# Altium PCB ControlBoard.PcbDoc (part 1 of 3) (continued)
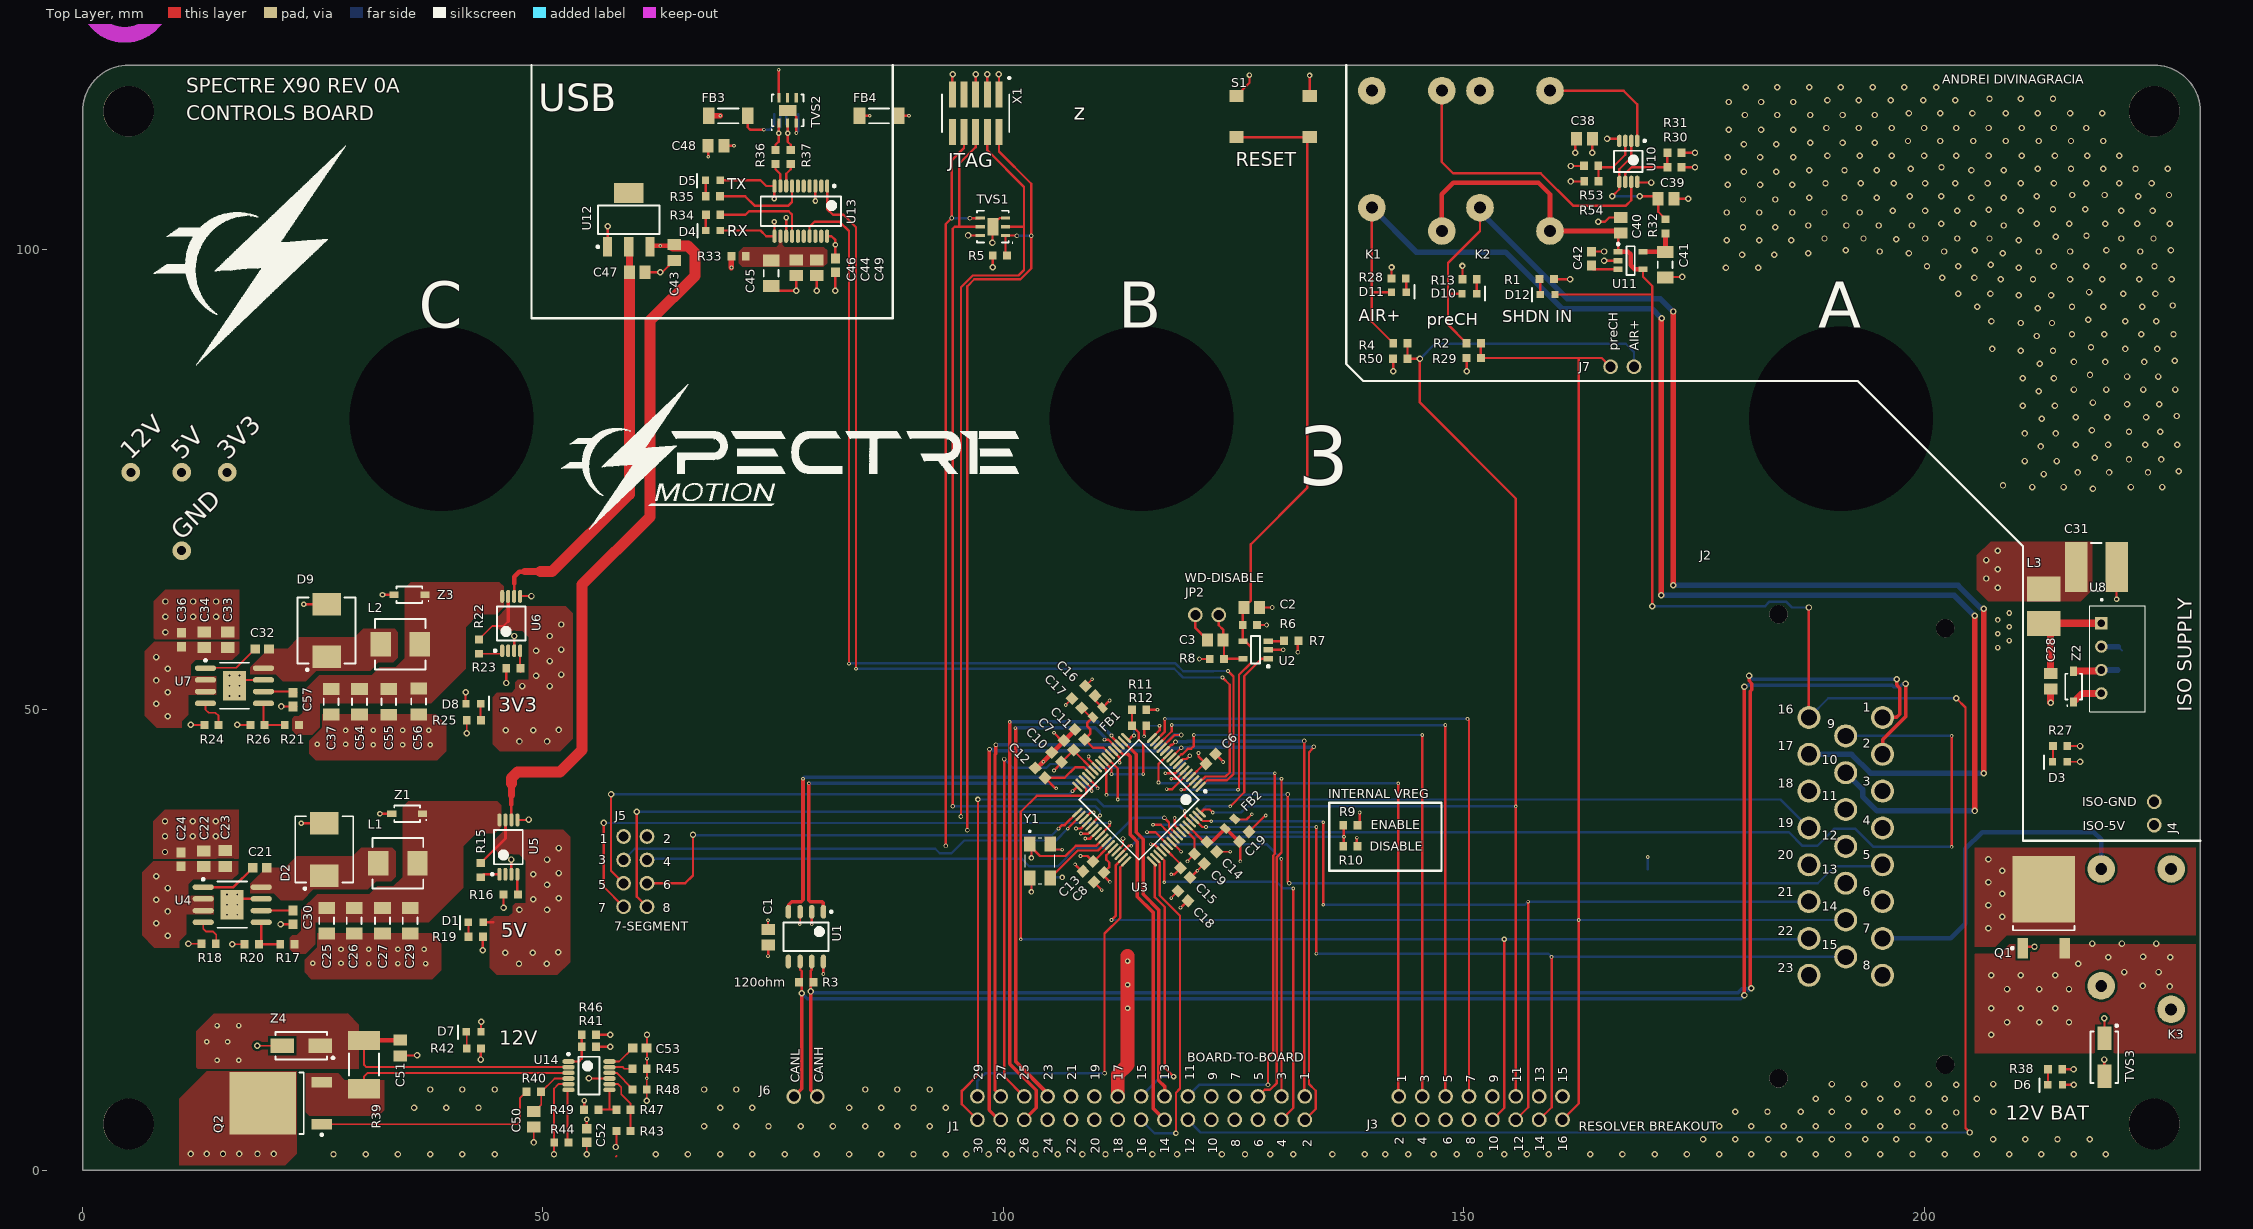
[diagram p0: Top Layer view]
## Part data (continued)
C31: library part 2220-10uF-100V, "CAP CER 10UF 100V X7S 2220", Case/Package=2220, Case Code (Metric)=5750, Dielectric=X7S, Manufacturer=TDK, Manufacturer Part Number=C5750X7S2A106K230KB, Max Operating Temperature=125°C, Min Operating Temperature=-55°C, Package Quantity=500, Supplier Part Number 1=445-13408-6-ND, Tolerance=10%, Voltage Rating=100V, Capacitance=10uF, Case Code (Imperial)=2220, ComponentLink1Description=https://4donline.ihs.com/images/VipMasterIC/IC/TDKC/TDKC-S-A0000596732/TDKC-S-A0000596732-1.pdf?hkey=52A5661711E402568146F3353EA87419&src-supplier=Farnell, ComponentLink1URL=https://4donline.ihs.com/images/VipMasterIC/IC/TDKC/TDKC-S-A0000596732/TDKC-S-A0000596732-1.pdf?hkey=52A5661711E402568146F3353EA87419&src-supplier=Farnell, ComponentLink2Description=http://www.farnell.com/datasheets/1913358.pdf?src-supplier=Element14, ComponentLink2URL=http://www.farnell.com/datasheets/1913358.pdf?src-supplier=Element14, ComponentLink3Description=https://product.tdk.com/info/en/documents/chara_sheet/C5750X7S2A106K230KB.pdf?src-supplier=Digi-Key, ComponentLink3URL=https://product.tdk.com/info/en/documents/chara_sheet/C5750X7S2A106K230KB.pdf?src-supplier=Digi-Key, ComponentLink4Description=http://www.mouser.com/ds/2/400/lcc_commercial_general_en-837201.pdf?src-supplier=Mouser, ComponentLink4URL=http://www.mouser.com/ds/2/400/lcc_commercial_general_en-837201.pdf?src-supplier=Mouser, ComponentLink5Description=https://4donline.ihs.com/images/VipMasterIC/IC/TDKC/TDKC-S-A0000596732/TDKC-S-A0000596732-1.pdf?hkey=52A5661711E402568146F3353EA87419&src-supplier=Newark, ComponentLink5URL=https://4donline.ihs.com/images/VipMasterIC/IC/TDKC/TDKC-S-A0000596732/TDKC-S-A0000596732-1.pdf?hkey=52A5661711E402568146F3353EA87419&src-supplier=Newark, ComponentLink6Description=http://product.tdk.com/en/catalog/datasheets/mlcc_commercial_midvoltage_en.pdf?src-supplier=Avnet, ComponentLink6URL=http://product.tdk.com/en/catalog/datasheets/mlcc_commercial_midvoltage_en.pdf?src-supplier=Avnet, Height=2.3mm, Lead Free="Lead Free", Length=0.224inch, Mount="Surface Mount", Packaging="Tape and Reel", Pricing 1="1=2.24, 10=1.815, 50=1.584, 100=1.386 (USD)", REACH SVHC="No SVHC", RoHS Compliant=Yes, Series=C, Stock 1=112223, Supplier 1=Digi-Key, Termination=SMD/SMT, Thickness=0.098inch, Voltage Rating (DC)=100V, Weight=0.016932oz, Width=0.197inch
C39 C40: library part 0805-1uF-50V, "CAP CER 1UF 50V X5R 0805", Case/Package=0805, Case Code (Metric)=2012, Dielectric=X5R, Dielectric Material=Ceramic, Manufacturer=KEMET, Manufacturer Part Number=C0805C105K5PACTU, Max Operating Temperature=85°C, Min Operating Temperature=-55°C, Package Quantity=2500, Supplier Part Number 1=399-15436-6-ND, Tolerance=10%, Voltage Rating=50V, Capacitance=1uF, Case Code (Imperial)=0805, ComponentLink1Description=https://api.kemet.com/component-edge/download/datasheet/C0805C105K5PAC7800.pdf?src-supplier=Digi-Key, ComponentLink1URL=https://api.kemet.com/component-edge/download/datasheet/C0805C105K5PAC7800.pdf?src-supplier=Digi-Key, ComponentLink2Description=http://www.farnell.com/datasheets/2746140.pdf?src-supplier=Farnell, ComponentLink2URL=http://www.farnell.com/datasheets/2746140.pdf?src-supplier=Farnell, ComponentLink3Description=http://www.mouser.com/ds/2/212/KEM_C1006_X5R_SMD-1103249.pdf?src-supplier=Mouser, ComponentLink3URL=http://www.mouser.com/ds/2/212/KEM_C1006_X5R_SMD-1103249.pdf?src-supplier=Mouser, ComponentLink4Description=http://www.farnell.com/datasheets/2746140.pdf?src-supplier=Newark, ComponentLink4URL=http://www.farnell.com/datasheets/2746140.pdf?src-supplier=Newark, ComponentLink5Description=http://www.farnell.com/datasheets/2032728.pdf?src-supplier=Element14, ComponentLink5URL=http://www.farnell.com/datasheets/2032728.pdf?src-supplier=Element14, Lead Free="Lead Free", Length=0.079inch, Mount="Surface Mount", Packaging="Tape and Reel", Pricing 1="1=0.33, 10=0.23, 100=0.1378, 500=0.10334, 1000=0.08726 (USD)", REACH SVHC="No SVHC", Stock 1=7193, Supplier 1=Digi-Key, Termination=SMD/SMT, Thickness=0.055inch, Voltage Rating (DC)=50V, Weight=0.000194oz, Width=0.049inch
C41: library part 1206-10uF-25V, "CAP CER 10UF 25V X7R 1206", Case/Package=1206, Case Code (Metric)=3216, Manufacturer=Samsung, Manufacturer Part Number=CL31B106KAHZW6E, Max Operating Temperature=125°C, Min Operating Temperature=-55°C, Supplier Part Number 1=1276-7031-1-ND, Tolerance=10%, Voltage Rating=25V, Capacitance=10uF, Case Code (Imperial)=1206, ComponentLink1Description=http://www.samsungsem.com/kr/support/product-search/mlcc/CL31B106KAHZW6E.jsp?src-supplier=Digi-Key, ComponentLink1URL=http://www.samsungsem.com/kr/support/product-search/mlcc/CL31B106KAHZW6E.jsp?src-supplier=Digi-Key, Features="Soft Termination", Mount="Surface Mount", Packaging="Cut Tape", Pricing 1="1=0.37, 10=0.255, 50=0.1786, 100=0.153, 500=0.11478, 1000=0.09693 (USD)", RoHS Compliant=Yes, Stock 1=9279, Supplier 1=Digi-Key
C42: library part 0603-10nF, "CAP CER 10000PF 50V X7R 0603", Capacitance=10nF, Case/Package=0603, Case Code (Metric)=1608, Dielectric=X7R, Insulation Resistance=100GR, Manufacturer="Kyocera AVX", Manufacturer Part Number=06035C103KAT4A, Max Operating Temperature=125°C, Min Operating Temperature=-55°C, Package Quantity=15000, Supplier Part Number 1=478-10055-1-ND, Tolerance=10%, Voltage=50V, Case Code (Imperial)=0603, ComponentLink1Description=http://www.avx.com/docs/catalogs/cx7r.pdf?src-supplier=Avnet, ComponentLink1URL=http://www.avx.com/docs/catalogs/cx7r.pdf?src-supplier=Avnet, ComponentLink2Description=http://datasheets.avx.com/X7RDielectric.pdf?src-supplier=Future+Electronics, ComponentLink2URL=http://datasheets.avx.com/X7RDielectric.pdf?src-supplier=Future+Electronics, ComponentLink3Description=http://www.farnell.com/datasheets/2237835.pdf?src-supplier=Element14, ComponentLink3URL=http://www.farnell.com/datasheets/2237835.pdf?src-supplier=Element14, Construction=Flat, Depth=0.81mm, Dissipation Factor=2.5%, Height=0.9mm, Lead Free="Lead Free", Length=1.6mm, Mount="Surface Mount", Number of Pins=2, Packaging="Tape and Reel", Pricing 1="1=0.1, 10=0.035, 50=0.019, 100=0.0155, 500=0.01106, 1000=0.0087, 2500=0.00791, 5000=0.00727 (USD)", Radiation Hardening=No, REACH SVHC="No SVHC", RoHS Compliant=Yes, Series=-, Stock 1=265526, Supplier 1=Digi-Key, Termination=SMD/SMT, Voltage Rating=50V, Voltage Rating (DC)=50V, Width=0.81mm
C43: library part 0805-10uF-16V, "CAP CER 10UF 16V X5R 0805", Case/Package=0805, Case Code (Metric)=2012, Dielectric=X7R, Manufacturer=Samsung, Manufacturer Part Number=CL21A106KOQNNNE, Max Operating Temperature=85°C, Min Operating Temperature=-55°C, Package Quantity=1, Supplier Part Number 1=1276-1096-1-ND, Tolerance=10%, Voltage=16V, Capacitance=10uF, Case Code (Imperial)=0805, ComponentLink1Description=http://www.samsungsem.com/kr/support/product-search/mlcc/CL21A106KOQNNNE.jsp?src-supplier=Digi-Key, ComponentLink1URL=http://www.samsungsem.com/kr/support/product-search/mlcc/CL21A106KOQNNNE.jsp?src-supplier=Digi-Key, ComponentLink2Description=http://www1.futureelectronics.com/doc/SAMSUNG%20PASSIVE/CL05B104KQ5NNNC.pdf?src-supplier=Future+Electronics, ComponentLink2URL=http://www1.futureelectronics.com/doc/SAMSUNG%20PASSIVE/CL05B104KQ5NNNC.pdf?src-supplier=Future+Electronics, ComponentLink3Description=https://www.verical.com/server-webapp/html/getDatasheet?partID=358435&src-supplier=Verical, ComponentLink3URL=https://www.verical.com/server-webapp/html/getDatasheet?partID=358435&src-supplier=Verical, Construction=Flat, Depth=1.25mm, Height=1.25mm, Lead Free="Lead Free", Length=2mm, Mount="Surface Mount", Packaging="Tape and Reel", Pricing 1="1=0.11, 10=0.084, 50=0.0458, 100=0.0375, 500=0.02676, 1000=0.02103 (USD)", Radiation Hardening=No, RoHS Compliant=Yes, Series=CL, Stock 1=258396, Supplier 1=Digi-Key, Thickness=0.055inch, Voltage Rating=16V, Voltage Rating (DC)=16V, Width=0.049inch
C45: library part 1206-4.7uF-50V, "CAP CER 4.7UF 50V X7R 1206", Case/Package=1206, Case Code (Metric)=3216, Dielectric=X7R, Dielectric Material=Ceramic, Manufacturer=TDK, Manufacturer Part Number=C3216X7R1H475K160AC, Max Operating Temperature=125°C, Min Operating Temperature=-55°C, Package Quantity=1, Supplier Part Number 1=445-8032-6-ND, Tolerance=10%, Voltage Rating=50V, Capacitance=4.7uF, Case Code (Imperial)=1206, ComponentLink1Description=https://product.tdk.com/info/en/catalog/datasheets/mlcc_commercial_general_en.pdf?src-supplier=Digi-Key, ComponentLink1URL=https://product.tdk.com/info/en/catalog/datasheets/mlcc_commercial_general_en.pdf?src-supplier=Digi-Key, ComponentLink2Description=http://www.mouser.com/ds/2/400/lcc_commercial_general_en-560200.pdf?src-supplier=Mouser, ComponentLink2URL=http://www.mouser.com/ds/2/400/lcc_commercial_general_en-560200.pdf?src-supplier=Mouser, ComponentLink3Description=http://product.tdk.com/capacitor/mlcc/en/documents/mlcc_commercial_general_en.pdf?src-supplier=Future+Electronics, ComponentLink3URL=http://product.tdk.com/capacitor/mlcc/en/documents/mlcc_commercial_general_en.pdf?src-supplier=Future+Electronics, Depth=1.6mm, Lead Free="Lead Free", Length=3.2mm, Mount="Surface Mount", Packaging="Tape and Reel", Pricing 1="1=0.76, 10=0.535, 50=0.4042, 100=0.3521, 500=0.26082, 1000=0.2217 (USD)", REACH SVHC="No SVHC", Resistor Type=Ceramic, RoHS Compliant=Yes, Series=C, Stock 1=117540, Supplier 1=Digi-Key, Termination=SMD/SMT, Thickness=1.6mm, Voltage Rating (DC)=50V, Weight=0.000571oz, Width=0.063inch
C47: library part 0805-22uF-16V, "CAP CER 22UF 16V X5R 0805", Case/Package=0805, Case Code (Metric)=2012, Manufacturer=Samsung, Manufacturer Part Number=CL21A226KOQNNNE, Max Operating Temperature=85°C, Min Operating Temperature=-55°C, Supplier Part Number 1=1276-6526-6-ND, Tolerance=10%, Voltage Rating=16V, Capacitance=22uF, Case Code (Imperial)=0805, ComponentLink1Description=http://www.samsungsem.com/kr/support/library/product-catalog/mlcc.jsp?src-supplier=Digi-Key, ComponentLink1URL=http://www.samsungsem.com/kr/support/library/product-catalog/mlcc.jsp?src-supplier=Digi-Key, Lead Free="Lead Free", Length=0.079inch, Mount="Surface Mount", Packaging="Tape and Reel", Pricing 1="1=0.37, 10=0.258, 50=0.1804, 100=0.1546, 500=0.11592, 1000=0.09789 (USD)", RoHS Compliant=Yes, Stock 1=761343, Supplier 1=Digi-Key, Thickness=0.055inch, Voltage Rating (DC)=16V, Width=0.049inch
C48: library part 0805-10nF-50V, "CAP CER SMD 0805 .01UF X7R 5% 50V", Case/Package=0805, Case Code (Metric)=2012, Dielectric=X7R, Dielectric Material=Ceramic, Manufacturer=KEMET, Manufacturer Part Number=C0805C103J5RAC7210, Max Operating Temperature=125°C, Min Operating Temperature=-55°C, Package Quantity=10000, Supplier Part Number 1=399-17616-6-ND, Tolerance=5%, Voltage Rating=50V, Capacitance=10nF, Case Code (Imperial)=0805, ComponentLink1Description=http://components.arrow.com/part/dataview/3450688S9650973N7429?src-supplier=Arrow, ComponentLink1URL=http://components.arrow.com/part/dataview/3450688S9650973N7429?src-supplier=Arrow, ComponentLink2Description=http://www.mouser.com/ds/2/212/KEM_C1002_X7R_SMD-1102033.pdf?src-supplier=Mouser, ComponentLink2URL=http://www.mouser.com/ds/2/212/KEM_C1002_X7R_SMD-1102033.pdf?src-supplier=Mouser, ComponentLink3Description=https://api.kemet.com/component-edge/download/datasheet/C0805C103J5RAC7210.pdf?src-supplier=Digi-Key, ComponentLink3URL=https://api.kemet.com/component-edge/download/datasheet/C0805C103J5RAC7210.pdf?src-supplier=Digi-Key, Depth=1.25mm, Lead Pitch=0.75mm, Length=2mm, Packaging="Tape and Reel", Pricing 1="1=0.11, 10=0.078, 100=0.0347, 500=0.0248, 1000=0.01948, 2500=0.01771, 5000=0.01629 (USD)", Stock 1=35151, Supplier 1=Digi-Key, Termination=SMD/SMT, Voltage Rating (DC)=50V
C50: library part 0805-47nF-50V, "CAP CER 0.047UF 50V X7R 0805", Case/Package=0805, Case Code (Metric)=2012, Dielectric=X7R, Dielectric Material=Ceramic, Insulation Resistance=100GR, Manufacturer=Yageo, Manufacturer Part Number=CC0805KRX7R9BB473, Max Operating Temperature=125°C, Min Operating Temperature=-55°C, Package Quantity=1, Supplier Part Number 1=311-1431-6-ND, Tolerance=10%, Voltage=50V, Capacitance=47nF, Case Code (Imperial)=0805, ComponentLink1Description=http://www.yageo.com/documents/recent/UPY-GPHC_X7R_6.3V-to-50V_18.pdf?src-supplier=Digi-Key, ComponentLink1URL=http://www.yageo.com/documents/recent/UPY-GPHC_X7R_6.3V-to-50V_18.pdf?src-supplier=Digi-Key, ComponentLink2Description=http://www.farnell.com/datasheets/2167236.pdf?src-supplier=Element14, ComponentLink2URL=http://www.farnell.com/datasheets/2167236.pdf?src-supplier=Element14, ComponentLink3Description=http://www.farnell.com/datasheets/1489800.pdf?src-supplier=Element14, ComponentLink3URL=http://www.farnell.com/datasheets/1489800.pdf?src-supplier=Element14, ComponentLink4Description=http://www.yageo.com/documents/recent/UPY-GPHC_X7R_6.3V-to-50V_8.pdf?src-supplier=Avnet, ComponentLink4URL=http://www.yageo.com/documents/recent/UPY-GPHC_X7R_6.3V-to-50V_8.pdf?src-supplier=Avnet, ComponentLink5Description=https://www.verical.com/server-webapp/html/getDatasheet?partID=403708&src-supplier=Verical, ComponentLink5URL=https://www.verical.com/server-webapp/html/getDatasheet?partID=403708&src-supplier=Verical, Composition=Ceramic, Depth=1.25mm, Dissipation Factor=2.5%, Halogen Free="Halogen Free", Height=1.25mm, Lead Free="Lead Free", Length=2mm, Material=Ceramic, Mount="Surface Mount", Number of Pins=2, Packaging="Tape and Reel", Pricing 1="1=0.14, 10=0.1, 100=0.047, 500=0.03298, 1000=0.0273 (USD)", Radiation Hardening=No, REACH SVHC=Unknown, Stock 1=16938, Supplier 1=Digi-Key, Termination=SMD/SMT, Thickness=0.037inch, Voltage Rating=50V, Voltage Rating (DC)=50V, Width=1.25mm
C51: library part CL21A226KOQNNNE, "CAP CER 22UF 16V X5R 0805", Case/Package=0805, Case Code (Metric)=2012, Manufacturer=Samsung, Max Operating Temperature=85°C, Min Operating Temperature=-55°C, Supplier Part Number 1=1276-6526-6-ND, Tolerance=10%, Voltage Rating=16V, Capacitance=22uF, Case Code (Imperial)=0805, ComponentLink1Description=http://www.samsungsem.com/kr/support/library/product-catalog/mlcc.jsp?src-supplier=Digi-Key, ComponentLink1URL=http://www.samsungsem.com/kr/support/library/product-catalog/mlcc.jsp?src-supplier=Digi-Key, Lead Free="Lead Free", Length=0.079inch, Manufacturer Part Number=CL21A226KOQNNNE, Mount="Surface Mount", Packaging="Tape and Reel", Pricing 1="1=0.37, 10=0.258, 50=0.1804, 100=0.1546, 500=0.11592, 1000=0.09789 (USD)", RoHS Compliant=Yes, Stock 1=761343, Supplier 1=Digi-Key, Thickness=0.055inch, Voltage Rating (DC)=16V, Width=0.049inch
D1 D3 D5 D6 D7 D8 D11 D12: library part LED-Green, "LED GREEN CLEAR 0603 SMD", Case/Package=0603, Case Code (Metric)=1608, Forward Current=30mA, Forward Voltage=2V, Manufacturer="Wurth Electronics", Manufacturer Part Number=150060VS75000, Max Operating Temperature=85°C, Min Operating Temperature=-40°C, Package Quantity=1, Supplier Part Number 1=732-4980-1-ND, Test Current=20mA, Case Code (Imperial)=0603, Color=Green, ComponentLink1Description=https://katalog.we-online.de/led/datasheet/150060VS75000.pdf?src-supplier=Digi-Key, ComponentLink1URL=https://katalog.we-online.de/led/datasheet/150060VS75000.pdf?src-supplier=Digi-Key, Dominant Wavelength=570nm, Height=0.7mm, Length=1.6mm, Lens Style=Clear,Rectangular, Luminous Intensity=40mcd, Mount="Surface Mount", Number of Pins=2, Packaging="Tape and Reel", Pricing 1="1=0.14, 50=0.133, 100=0.114, 500=0.099 (USD)", REACH SVHC=Unknown, Stock 1=118118, Supplier 1=Digi-Key, Viewing Angle=140°, Wavelength=570nm, Width=0.8mm
D2 D9: "DIODE SCHOTTKY 60V 5A SMC", Average Rectified Current=5A, Capacitance=300pF, Case/Package=SMC, Forward Voltage=700mV, Manufacturer=Diodes, Max Forward Surge Current (Ifsm)=100A, Max Operating Temperature=125°C, Max Repetitive Reverse Voltage (Vrrm)=60V, Max Reverse Current=500uA, Min Operating Temperature=-55°C, Package Quantity=3000, Supplier Part Number 1=B560C-FDICT-ND, ComponentLink1Description=https://www.diodes.com/assets/Datasheets/ds13012.pdf?src-supplier=Digi-Key, ComponentLink1URL=https://www.diodes.com/assets/Datasheets/ds13012.pdf?src-supplier=Digi-Key, ComponentLink2Description=http://www.farnell.com/datasheets/2238476.pdf?src-supplier=Element14, ComponentLink2URL=http://www.farnell.com/datasheets/2238476.pdf?src-supplier=Element14, ComponentLink3Description=https://www.verical.com/server-webapp/html/getDatasheet?partID=89786&src-supplier=Verical, ComponentLink3URL=https://www.verical.com/server-webapp/html/getDatasheet?partID=89786&src-supplier=Verical, ComponentLink4Description=http://www.diodes.com/datasheets/ds13012.pdf?src-supplier=Future+Electronics, ComponentLink4URL=http://www.diodes.com/datasheets/ds13012.pdf?src-supplier=Future+Electronics, ComponentLink5Description=http://www.diodes.com//datasheets/ds13012.pdf?src-supplier=Avnet+Europe, ComponentLink5URL=http://www.diodes.com//datasheets/ds13012.pdf?src-supplier=Avnet+Europe, ComponentLink6Description=http://www.jameco.com/Jameco/Products/ProdDS/1538961.pdf?src-supplier=Jameco, ComponentLink6URL=http://www.jameco.com/Jameco/Products/ProdDS/1538961.pdf?src-supplier=Jameco, ComponentLink7Description=http://datasheet.iiic.cc/diodes/B560C-13-F.pdf?src-supplier=IIIC, ComponentLink7URL=http://datasheet.iiic.cc/diodes/B560C-13-F.pdf?src-supplier=IIIC, Contact Plating=Tin,Matte, Current Rating=5A, Element Configuration=Single, Forward Current=5A, Height=2.5mm, Lead Free="Lead Free", Length=7.11mm, Manufacturer Part Number=B560C-13-F, Max Reverse Voltage (DC)=60V, Mount="Surface Mount", Number of Pins=2, Output Current=5A, Packaging="Tape and Reel", Peak Non-Repetitive Surge Current=100A, Polarity=Standard, Pricing 1="1=0.53, 10=0.454, 100=0.3388, 500=0.2662, 1000=0.2057 (USD)", Radiation Hardening=No, REACH SVHC="No SVHC", RoHS Compliant=Yes, Series=-, Stock 1=50354, Supplier 1=Digi-Key, Termination=SMD/SMT, Voltage Rating (DC)=60V, Weight=0.007408oz, Width=6.22mm
D4: library part LED-YELLOW, "LED YELLOW CLEAR 0603 SMD", Case/Package=0603, Case Code (Metric)=1608, Forward Current=30mA, Forward Voltage=2V, Manufacturer="Wurth Electronics", Manufacturer Part Number=150060YS75000, Max Operating Temperature=85°C, Min Operating Temperature=-40°C, Package Quantity=4000, Supplier Part Number 1=732-4981-1-ND, Test Current=20mA, Case Code (Imperial)=0603, Color=Yellow, ComponentLink1Description=http://www.farnell.com/datasheets/1911348.pdf?src-supplier=Element14, ComponentLink1URL=http://www.farnell.com/datasheets/1911348.pdf?src-supplier=Element14, ComponentLink2Description=https://www.distrelec.biz/Web/Downloads/_t/ds/150060YS75000_eng_tds.pdf?mime=application%2Fpdf&src-supplier=Distrelec, ComponentLink2URL=https://www.distrelec.biz/Web/Downloads/_t/ds/150060YS75000_eng_tds.pdf?mime=application%2Fpdf&src-supplier=Distrelec, ComponentLink3Description=https://katalog.we-online.de/led/datasheet/150060YS75000.pdf?src-supplier=Digi-Key, ComponentLink3URL=https://katalog.we-online.de/led/datasheet/150060YS75000.pdf?src-supplier=Digi-Key, ComponentLink4Description=http://katalog.we-online.de/led/datasheet/150060YS75000.pdf?src-supplier=Newark, ComponentLink4URL=http://katalog.we-online.de/led/datasheet/150060YS75000.pdf?src-supplier=Newark, ComponentLink5Description=http://www.produktinfo.conrad.com/datenblaetter/750000-774999/759432-da-01-en-CHIPLED_0603_W_KL_GELB_150060YS75000.pdf?src-supplier=Conrad, ComponentLink5URL=http://www.produktinfo.conrad.com/datenblaetter/750000-774999/759432-da-01-en-CHIPLED_0603_W_KL_GELB_150060YS75000.pdf?src-supplier=Conrad, Dominant Wavelength=590nm, Height=0.7mm, Length=1.6mm, Lens Style=Clear,Rectangular, Luminous Intensity=120mcd, Mount="Surface Mount", Packaging="Tape and Reel", Pricing 1="1=0.14, 50=0.133, 100=0.114, 500=0.099 (USD)", REACH SVHC=Unknown, RoHS Compliant=Yes, Stock 1=129164, Supplier 1=Digi-Key, Viewing Angle=140°, Wavelength=590nm, Width=0.8mm
D10: library part LED-Red, "LED RED CLEAR 0603 SMD", Case/Package=0603, Case Code (Metric)=1608, Forward Current=30mA, Forward Voltage=2V, Manufacturer="Wurth Electronics", Manufacturer Part Number=150060RS75000, Max Operating Temperature=85°C, Min Operating Temperature=-40°C, Package Quantity=1, Supplier Part Number 1=732-4978-6-ND, Test Current=20mA, Case Code (Imperial)=0603, Color=Red, ComponentLink1Description=https://katalog.we-online.de/led/datasheet/150060RS75000.pdf?src-supplier=Digi-Key, ComponentLink1URL=https://katalog.we-online.de/led/datasheet/150060RS75000.pdf?src-supplier=Digi-Key, ComponentLink2Description=http://www.produktinfo.conrad.com/datenblaetter/750000-774999/759428-da-01-en-CHIPLED_0603_W_KL_ROT_150060RS75000.pdf?src-supplier=Conrad, ComponentLink2URL=http://www.produktinfo.conrad.com/datenblaetter/750000-774999/759428-da-01-en-CHIPLED_0603_W_KL_ROT_150060RS75000.pdf?src-supplier=Conrad, Dominant Wavelength=625nm, Height=0.7mm, Length=1.6mm, Lens Style=Clear,Rectangular, Luminous Intensity=250mcd, Mount="Surface Mount", Packaging="Cut Tape", Pricing 1="1=0.14, 50=0.133, 100=0.114, 500=0.099 (USD)", REACH SVHC=Unknown, Stock 1=18518, Supplier 1=Digi-Key, Viewing Angle=140°, Wavelength=625nm, Width=0.8mm
FB1: library part BKP2125HS600-T, "FERRITE BEAD 60 OHM 0805 1LN", Case/Package=0805, Case Code (Metric)=2125, DC Resistance (DCR)=25mR, Manufacturer="Taiyo Yuden", Max Current Rating=3A, Max Operating Temperature=85°C, Min Operating Temperature=-55°C, Package Quantity=1, Supplier Part Number 1=587-1932-1-ND, Test Frequency=100MHz, Tolerance=25%, Case Code (Imperial)=0805, ComponentLink1Description=http://ds.yuden.co.jp/TYCOMPAS/ut/detail.do?productNo=BKP2125HS600-T&fileName=BKP2125HS600-T_SS&mode=specSheetDownload&src-supplier=Digi-Key, ComponentLink1URL=http://ds.yuden.co.jp/TYCOMPAS/ut/detail.do?productNo=BKP2125HS600-T&fileName=BKP2125HS600-T_SS&mode=specSheetDownload&src-supplier=Digi-Key, Core Material=Ferrite, Depth=1.45mm, Halogen Free="Halogen Free", Height=1.05mm, Impedance=60R, Lead Free="Lead Free", Length=2.3mm, Manufacturer Part Number=BKP2125HS600-T, Max DC Current=3A, Mount="Surface Mount", Number of Lines=1, Number of Pins=2, Packaging="Tape and Reel", Pricing 1="1=0.11, 10=0.086, 25=0.0768, 50=0.0564, 100=0.0487, 250=0.03848 (USD)", REACH SVHC=Unknown, Resistance=25mR, RoHS Compliant=Yes, Series=BK, Shielding=Unshielded, Stock 1=471, Supplier 1=Digi-Key, Termination=SMD/SMT, Width=0.049inch
FB2: library part BLM21PG221SN1D, "FERRITE BEAD 220 OHM 0805 1LN", Case/Package=0805, Case Code (Metric)=2012, Current=2A, DC Resistance (DCR)=45mR, Frequency=100MHz, Manufacturer=Murata, Max Operating Temperature=125°C, Min Operating Temperature=-55°C, Package Quantity=1, Supplier Part Number 1=490-1054-1-ND, Tolerance=25%, Case Code (Imperial)=0805, ComponentLink1Description=http://www.farnell.com/datasheets/1914683.pdf?src-supplier=Element14, ComponentLink1URL=http://www.farnell.com/datasheets/1914683.pdf?src-supplier=Element14, ComponentLink2Description=https://www.distrelec.biz/Web/Downloads/ta/_e/anBLM21P_Data_E.pdf?mime=application%2Fpdf&src-supplier=Distrelec, ComponentLink2URL=https://www.distrelec.biz/Web/Downloads/ta/_e/anBLM21P_Data_E.pdf?mime=application%2Fpdf&src-supplier=Distrelec, ComponentLink3Description=http://www.jameco.com/Jameco/Products/ProdDS/1845321.pdf?src-supplier=Jameco, ComponentLink3URL=http://www.jameco.com/Jameco/Products/ProdDS/1845321.pdf?src-supplier=Jameco, ComponentLink4Description=https://www.murata.com/en-us/products/productdata/8796738977822/ENFA0005.pdf?src-supplier=Digi-Key, ComponentLink4URL=https://www.murata.com/en-us/products/productdata/8796738977822/ENFA0005.pdf?src-supplier=Digi-Key, ComponentLink5Description=http://uk.rs-online.com/webdocs/1388/0900766b813885e8.pdf?src-supplier=RSComponents, ComponentLink5URL=http://uk.rs-online.com/webdocs/1388/0900766b813885e8.pdf?src-supplier=RSComponents, ComponentLink6Description=http://search.murata.co.jp/Ceramy/image/img/PDF/ENG/L0110S0100BLM21P.pdf?src-supplier=Avnet, ComponentLink6URL=http://search.murata.co.jp/Ceramy/image/img/PDF/ENG/L0110S0100BLM21P.pdf?src-supplier=Avnet, ComponentLink7Description=http://search.murata.co.jp/Ceramy/image/img/PDF/ENG/L0110S0100BLM21P.pdf?src-supplier=Future+Electronics, ComponentLink7URL=http://search.murata.co.jp/Ceramy/image/img/PDF/ENG/L0110S0100BLM21P.pdf?src-supplier=Future+Electronics, ComponentLink8Description=http://www.produktinfo.conrad.com/datenblaetter/425000-449999/442529-da-01-en-CHIP_DROSSEL_0805_220R_2000MA_2_0X1_25MM.pdf?src-supplier=Conrad, ComponentLink8URL=http://www.produktinfo.conrad.com/datenblaetter/425000-449999/442529-da-01-en-CHIP_DROSSEL_0805_220R_2000MA_2_0X1_25MM.pdf?src-supplier=Conrad, Contact Plating=Tin,Matte, Core Material=Ferrite, Current Rating=2A, DC Current=2A, DC Resistance-Max=45mR, Depth=1.25mm, Height=0.85mm, Impedance=220R, Lead Free="Lead Free", Length=2mm, Manufacturer Part Number=BLM21PG221SN1D, Material=Ferrite,Steel, Max Current Rating=2A, Max DC Current=2A, Military Standard=Not, Number of Circuits=1, Number of Lines=1, Number of Pins=2, Packaging="Tape and Reel", Pricing 1="1=0.1, 10=0.081, 25=0.074, 50=0.0666, 100=0.0488, 250=0.03552, 500=0.03256, 1000=0.02812 (USD)", Radiation Hardening=No, REACH SVHC="No SVHC", RoHS Compliant=Yes, Series=BLM21P, Shielding=Unshielded, Stock 1=73275, Supplier 1=Digi-Key, Termination=SMD/SMT, Test Frequency=100MHz, Width=1.25mm
FB3 FB4: library part FERR-3A5, "FERRITE BEAD 23 OHM 1806 1LN", Case/Package=1806, Case Code (Metric)=4516, DC Resistance (DCR)=14mR, Manufacturer="Taiyo Yuden", Manufacturer Part Number=FBMJ4516HL230NTV, Max Current Rating=3.5A, Max Operating Temperature=125°C, Min Operating Temperature=-40°C, Package Quantity=2000, Resistance=180623R, Supplier Part Number 1=587-3857-1-ND, Test Frequency=100MHz, Tolerance=30%, Case Code (Imperial)=1806, ComponentLink1Description=http://www.mouser.com/ds/2/396/chipbeads01_e-559265.pdf, ComponentLink1URL=http://www.mouser.com/ds/2/396/chipbeads01_e-559265.pdf, ComponentLink2Description=http://ds.yuden.co.jp/TYCOMPAS/ut/detail.do?productNo=FBMJ4516HL230NTV&fileName=FBMJ4516HL230NTV_SS&mode=specSheetDownload, ComponentLink2URL=http://ds.yuden.co.jp/TYCOMPAS/ut/detail.do?productNo=FBMJ4516HL230NTV&fileName=FBMJ4516HL230NTV_SS&mode=specSheetDownload, ComponentLink3Description=https://www.yuden.co.jp/ut/product/category/emisuppression/FBMJ4516HL230NTV_SS.pdf, ComponentLink3URL=https://www.yuden.co.jp/ut/product/category/emisuppression/FBMJ4516HL230NTV_SS.pdf, Core Material=Ferrite, Depth=1.6mm, Height=1.1mm, Impedance=23R, Length=0.177inch, Max DC Current=3.5A, Mount="Surface Mount", Number of Lines=1, Packaging="Tape and Reel", Pricing 1="1=0.26, 10=0.202, 25=0.1676, 50=0.1444, 100=0.1299, 250=0.1097, 500=0.0982, 1000=0.0837 (USD)", Stock 1=1819, Supplier 1=Digi-Key, Termination=SMD/SMT, Width=1.6mm
J1: library part CONN-72POS-M, "CONN HEADER VERT 72POS 2.54MM", Color=Black, Manufacturer=3M, Max Current Rating=2.5A, Max Operating Temperature=105°C, Min Operating Temperature=-40°C, Package Quantity=100, Supplier Part Number 1=3M156366-72-ND, ComponentLink1Description=http://www.mouser.com/ds/2/1/ts0769-35914.pdf?src-supplier=Mouser, ComponentLink1URL=http://www.mouser.com/ds/2/1/ts0769-35914.pdf?src-supplier=Mouser, ComponentLink2Description=http://multimedia.3m.com/mws/mediawebserver?66666UuZjcFSLXTtmXME5x46EVuQEcuZgVs6EVs6E666666--?src-supplier=Digi-Key, ComponentLink2URL=http://multimedia.3m.com/mws/mediawebserver?66666UuZjcFSLXTtmXME5x46EVuQEcuZgVs6EVs6E666666--?src-supplier=Digi-Key, Connector Type="Male Pin", Contact Material="Copper Alloy", Contact Mating Length=0.318inch, Contact Plating=Tin, Contact Type="Male Pin", Depth=5.48mm, Gender=Male, Height=2.54mm, Housing Color=Black, Housing Material=Polychlorinated, Lead Free="Lead Free", Length=91.4mm, Manufacturer Part Number=929710-06-36-RK, Mount="Through Hole", Number of Positions=72, Number of Rows=2, Orientation=Straight, Packaging=Bulk, Pitch=0.1inch, Pricing 1="1=6.62, 10=6.342, 100=5.2389, 500=4.41168, 1000=3.86022 (USD)", RoHS Compliant=Yes, Row Spacing=0.1inch, Series=929, Stock 1=312, Supplier 1=Digi-Key, Termination=Solder, Width=5.46mm
J2: library part CONN-23POS, "CONN HEADER VERT 23POS 4MM", Color=Black, Flammability Rating="UL94 V-0", Manufacturer="TE Connectivity AMP", Max Operating Temperature=221°C, Max Voltage Rating (AC)=250V, Min Operating Temperature=-40°C, Package Quantity=1, Supplier Part Number 1=A129020-ND, Circuit Application=Power, ComponentLink1Description=http://uk.rs-online.com/webdocs/1013/0900766b81013e1b.pdf?src-supplier=RSComponents, ComponentLink1URL=http://uk.rs-online.com/webdocs/1013/0900766b81013e1b.pdf?src-supplier=RSComponents, ComponentLink2Description=http://www.te.com/commerce/DocumentDelivery/DDEController?Action=srchrtrv&DocNm=1654285_AMPSEAL_Sealed_Connector&DocType=CS&DocLang=English&s_cid=1046&src-supplier=Avnet, ComponentLink2URL=http://www.te.com/commerce/DocumentDelivery/DDEController?Action=srchrtrv&DocNm=1654285_AMPSEAL_Sealed_Connector&DocType=CS&DocLang=English&s_cid=1046&src-supplier=Avnet, ComponentLink3Description=http://www1.futureelectronics.com/doc/TYCO%20ELECTRONICS/776200-1.pdf?src-supplier=Future+Electronics, ComponentLink3URL=http://www1.futureelectronics.com/doc/TYCO%20ELECTRONICS/776200-1.pdf?src-supplier=Future+Electronics, Connector System=Wire-to-Device, Contact Material=Brass, Contact Plating=Tin, Depth=32.1mm, ELV=Compliant, Gender=Male, Height=32.1mm, Housing Material=Thermoplastic, Lead Free="Lead Free", Length=60.8mm, Manufacturer Part Number=776200-1, Mount="Panel,Through Hole", Number of Contacts=23, Number of Positions=23, Number of Rows=3, Number of Signal Positions=23, Orientation=Straight, Packaging=Bulk, PCB Mount Alignment="Yes (With)", PCB Mount Retention=Without, PCB Thickness=0.062inch, Pitch=0.157inch, Pricing 1="1=11.1, 10=10.621, 100=8.9314, 500=7.48308, 1000=6.61409 (USD)", Radiation Hardening=No, Sealable="Yes (With)", Series="Ampseal Sealed", Shielding=Unshielded, Stock 1=0, Supplier 1=Digi-Key, Tab Thickness=1.3mm, Termination=Solder, Width=1.264inch
J3: "CONN HEADER VERT 16POS 2.54MM", Color=Black, Manufacturer=Sullins, Package Quantity=1, Supplier Part Number 1=S2011EC-08-ND, ComponentLink1Description=https://drawings-pdf.s3.amazonaws.com/11636.pdf?src-supplier=Digi-Key, ComponentLink1URL=https://drawings-pdf.s3.amazonaws.com/11636.pdf?src-supplier=Digi-Key, Connector Type="Male Pin", Contact Mating Length=0.23inch, Contact Plating=Gold, Contact Type="Male Pin", Manufacturer Part Number=PRPC008DAAN-RC, Mount="Through Hole", Number of Positions=16, Number of Rows=2, Packaging=Bulk, Pitch=0.1inch, Pricing 1="1=0.46, 10=0.433, 25=0.3716, 50=0.3158, 100=0.3034, 250=0.27244, 500=0.26006 (USD)", RoHS Compliant=Yes, Row Spacing=0.1inch, Series=-, Stock 1=10217, Supplier 1=Digi-Key, Termination=Solder
J4: library part CONN-2POS-LONG-M, "CONN HEADER VERT 2POS", Color=Black, Manufacturer=3M, Max Current Rating=2.5A, Max Operating Temperature=105°C, Min Operating Temperature=-40°C, Package Quantity=1000, Supplier Part Number 1=3M156366-02-ND, ComponentLink1Description=http://multimedia.3m.com/mws/mediawebserver?66666UuZjcFSLXTtmXME5x46EVuQEcuZgVs6EVs6E666666--?src-supplier=Digi-Key, ComponentLink1URL=http://multimedia.3m.com/mws/mediawebserver?66666UuZjcFSLXTtmXME5x46EVuQEcuZgVs6EVs6E666666--?src-supplier=Digi-Key, Connector Type="Male Pin", Contact Material="Copper Alloy", Contact Mating Length=0.318inch, Contact Plating=Tin, Contact Type="Male Pin", Depth=5.46mm, Gender=Male, Housing Color=Black, Housing Material=Polychlorinated, Length=2.5mm, Manufacturer Part Number=929710-06-01-RK, Mount="Through Hole", Number of Positions=2, Number of Rows=2, Orientation=Straight, Packaging=Bulk, Pricing 1="1=0.32, 10=0.303, 25=0.26, 50=0.221, 100=0.2123, 250=0.19068, 500=0.182 (USD)", RoHS Compliant=Yes, Row Spacing=0.1inch, Series=929, Stock 1=0, Supplier 1=Digi-Key, Termination=Solder